# Altium PCB YarnControl_Mainboard_v1.3.PcbDoc (continued)
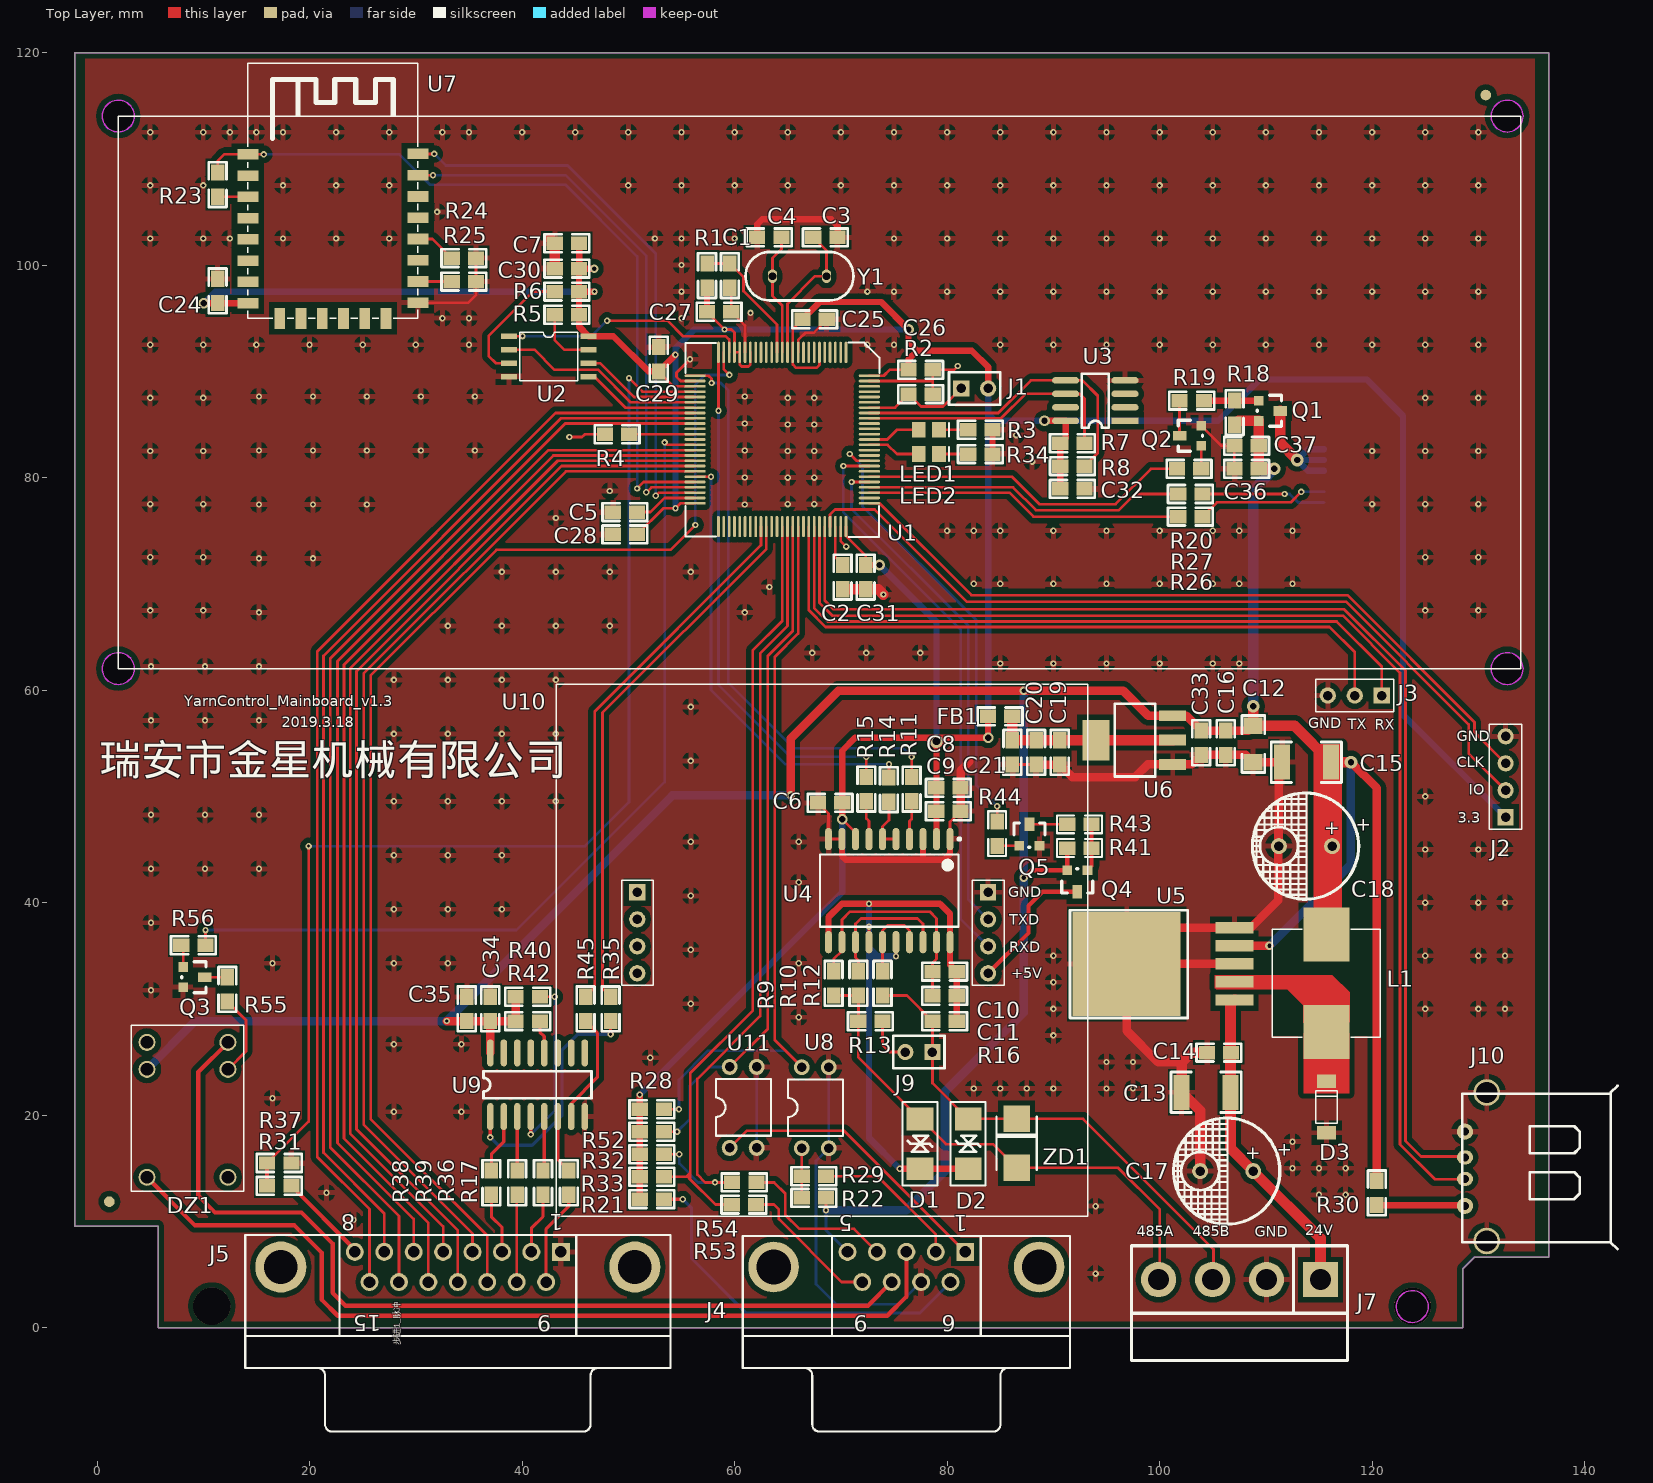
[diagram p0: Top Layer view]
## Via types
v1: diameter 0.6, hole 0.3, Top Layer to Bottom Layer, 340 vias
v2: diameter 1, hole 0.6, Top Layer to Bottom Layer, 6 vias
v3: diameter 0.8, hole 0.4, Top Layer to Bottom Layer, 5 vias
v4: diameter 1.2, hole 0.6, Top Layer to Bottom Layer, 4 vias
v5: diameter 1.27, hole 0.711, Top Layer to Bottom Layer, 1 vias

## Nets (pads, with @x,y where several pads share a name; then routed paths per layer and width w, separated by ;. In a path a pad name is that pad's centre, name@x,y a point inside that pad or via, vN(x,y) a via of type N, cw(c..) or ccw(c..) an arc to the next point about the centre after c; other vN are vias at no path point)
485_DE: R14.1 U1.45 | length 42.5
  Top Layer w0.254: U1.45 v1(57.784,80.085) ; R14.1 v1(74.53,53.016)
  Bottom Layer w0.254: v1(57.784,80.085) 57.784,60.022 64.789,53.016 v1(74.53,53.016)
485_RX: R11.1 U1.26 | length 55.5
  Top Layer w0.254: U1.26@55.461,89.585 U1.26 ; 57.29,89.585 U1.26 ; v1(57.836,88.9) 57.836,89.306 57.557,89.585 U1.26 ; R11.1@76.664,52.026 R11.1 v1(76.664,53.714)
  Bottom Layer w0.254: v1(57.836,88.9) 58.699,88.9 59.411,88.189 59.411,60.681 65.557,54.534 75.844,54.534 v1(76.664,53.714)
485_TX: R15.1 U1.25 | length 51.2
  Top Layer w0.254: v1(58.484,86.284) U1.25 U1.25@58.484,90.945 ; R15.1@71.984,52.07 R15.1@72.397,52.07 ; R15.1 R15.1@72.397,52.07 ; v1(72.397,53.721) R15.1@72.397,52.07
  Bottom Layer w0.254: v1(58.484,86.284) 58.484,60.49 65.253,53.721 v1(72.397,53.721)
+3.3V: C6.2 C7.2 C8.2 C9.2 C24.2 C25.2 C26.2 C27.2 C28.2 C29.2 C30.2 C31.2 C32.2 FB1.2 J1.2 J2.1 R1.2 R5.1 R6.2 R7.2 R8.2 R21.2 R28.1 R32.1 R33.1 R52.1 U1.6 U1.11 U1.19 U1.21 U1.22 U1.28 U1.50 U1.75 U1.100 U2.8 U3.8 U4.2 U4.8 U7.8 | length 396.8
  Top Layer w0.254: C28.2 53.289,77.114 v1(54.439,77.114) 54.909,77.585 U1.50 ; C29.2 54.265,88.585 U1.28 ; C27.2 57.404,95.587 v1(59.055,93.936) 59.683,93.936 59.984,93.635 U1.22 U1.21 60.484,90.621 60.655,90.449 61.29,90.449 61.484,90.643 U1.19 ; C25.2 65.484,93.983 U1.11 65.484,90.624 65.786,90.322 67.716,90.322 67.984,90.59 U1.6 ; v2(70.129,47.854) 71.381,46.602 U4.8 ; 70.129,51.841 70.136,51.835 C6.2 ; U1.75 70.484,74.516 72.333,72.667 C31.2 ; U1.100 74.04,89.585 74.593,90.138 C26.2
  Top Layer w0.6: v2(10.033,96.418) C24.2 ; C24.2@11.355,96.418 U7.8 ; C30.2@45.364,99.67 C7.2 ; v3(46.787,99.663) C30.2 R6.2 ; v1(46.819,97.504) R6.2 ; 47.149,93.313 U2.8 ; R21.2 R33.1 R32.1 R52.1 R28.1 v1(51.079,21.92) ; v1(54.432,91.567) C29.2 51.892,89.992 48.571,93.313 U2.8 ; C27.2 R1.2 ; C25.2 68.021,96.52 73.787,96.52 v2(76.371,93.936) 76.371,92.767 77.191,91.948 ; v2(70.129,47.854) C6.2@70.129,49.391 ; C6.2 C6.2@70.129,49.391 ; C31.2 v2(73.641,71.774) ; C26.2 76.371,91.129 77.191,91.948 ; v5@78.994,55.538 v5@79.001,55.531 ; U4.2 v5@79.001,54.686 ; FB1.2 83.845,55.556 v2(83.871,55.531) 79.756,55.531 ; J1.2 83.864,90.405 82.321,91.948 77.191,91.948 ; v2(89.161,85.337) U3.8 91.154,83.737 R7.2 R8.2 C32.2 ; R6.2 R5.1 45.358,94.218 U2.8 ; C6.2@70.129,49.391 70.129,51.841 70.129,54.305 71.355,55.531 78.156,55.531 ; 78.156,55.531 v5@79.001,55.531 ; 78.156,55.531 v5@79.001,54.686 ; v5@79.001,54.686 79.756,55.442 79.756,55.531 ; v5@79.001,54.686 v5(79.001,55.201) v5@79.001,55.531 ; v5@79.001,55.531 79.756,55.531
  Bottom Layer w0.6: v2(10.033,96.418) 11.119,97.504 v1(46.819,97.504) ; v1(51.079,21.92) 70.129,40.97 v2(70.129,47.854) ; v1(54.439,77.114) 54.439,92.183 56.191,93.936 v1(59.055,93.936) v2(76.371,93.936) ; v2(73.641,71.774) 79.001,66.414 v5@79.001,55.531 ; v2@83.864,55.531 83.864,84.67 ; J1.2 83.864,86.004 ; 83.947,85.337 84.531,85.337 ; J2.1 122.911,57.683 122.911,85.801 119.482,89.23 109.398,89.23 105.505,85.337 v2(89.161,85.337) 84.531,85.337 ; 83.864,84.67 84.531,85.337 ; 83.864,84.67 83.864,86.004 ; 83.864,86.004 84.531,85.337
+5V: C12.2 C15.2 C16.2 C18.1 C33.2 C34.2 C35.2 C36.2 C37.2 DZ1.2 J4.5 L1.1 Q1.S Q4.S R18.1 R22.1 R30.1 R40.2 R41.1 R42.1 U5.4 U6.3 U9.16 | length 326.6
  Top Layer w0.3: v1(68.605,11.049) R22.1 ; Q4.S Q4.S@91.313,43.066
  Top Layer w0.4: v3(87.224,42.342) 87.935,43.053 Q4.S 91.3,45.123 R41.1
  Top Layer w0.8: v1(32.918,28.854) C35.2 C34.2 ; U9.16 C34.2 ; R40.2 R42.1 C34.2 ; v3(65.278,50.089) 65.278,55.448 69.774,59.944 96.571,59.944 98.933,57.582 U6.3 102.514,57.582 C33.2 C16.2 108.356,56.185 C12.2 ; U5.4 v3(110.338,35.941) ; v4(118.008,53.213) 120.447,50.775 R30.1
  Top Layer w1: R18.1 107.429,85.331 Q1.S C37.2 C36.2 v4(110.795,80.823) ; v4(108.814,58.471) C12.2 112.688,56.642 C15.2 ; C18.1 116.23,53.1 C15.2 ; v4(118.008,53.213) C15.2
  Bottom Layer w0.3: v1(68.605,11.049) 68.605,9.151 J4.5
  Bottom Layer w0.8: DZ1.2 9.246,28.854 v1(32.918,28.854) 54.153,50.089 v3(65.278,50.089) ; v1(68.605,11.049) 76.149,11.049 79.781,14.681 79.781,22.2 87.224,29.642 v3(87.224,42.342) v3(87.224,59.944) ; v3(110.338,35.941) 118.008,43.612 v4(118.008,53.213)
  Bottom Layer w1: v4(108.814,58.471) 108.814,78.842 v4(110.795,80.823) 109.69,79.718
+24V: C13.2 C14.2 C17.1 J7.1 U5.1 | length 30
  Top Layer w1: U5.1 106.669,30.445 C13.2 106.669,16.877 C17.1 115.138,8.407 J7.1
ANALOG_OUT1: J5.8 R31.1 | length 8.7
  Top Layer w0.4: R31.1 24.258,7.365 J5.8
BOOT0: J1.1 R2.1 U1.94 | length 10.4
  Top Layer w0.254: U1.94 75.104,86.585 R2.1 77.54,86.684 79.622,86.684 J1.1
BOOT1: R4.1 U1.37 | length 6.2
  Top Layer w0.254: R4.1@50.089,84.085 U1.37
CLOSE_SW: R28.2 U1.66 U8.4 | length 70.3
  Top Layer w0.254: R28.2 v1(54.762,20.549) ; U1.66 65.984,65.324 63.779,63.119 63.779,27.051 U8.4
  Bottom Layer w0.254: v1(54.762,20.549) 54.762,23.317 57.506,26.06 64.77,26.06 U8.4
CLOSE_SW_IN: J4.2 R29.2 | length 14.2
  Top Layer w0.254: R29.2 73.457,14.249 78.938,8.768 J4.2
DAC_OUT1: R31.2 R37.2 U1.29 | length 112.1
  Top Layer w0.254: R37.2 19.914,19.406 v1(19.914,45.314) ; v1(50.063,89.357) 51.336,88.085 U1.29
  Top Layer w0.4: R31.2 R37.2
  Bottom Layer w0.254: v1(19.914,45.314) 45.923,45.314 50.063,49.454 v1(50.063,89.357)
ENCODER_B: R32.2 R54.2 U1.64 | length 74.5
  Top Layer w0.254: R32.2 v1(54.8,16.319) ; R54.2 v1(58.153,13.665) 57.226,13.665 56.49,14.402 56.49,23.393 62.408,29.312 62.408,63.449 64.984,66.025 U1.64
  Bottom Layer w0.254: v1(54.8,16.319) 54.8,15.43 56.566,13.665 v1(58.153,13.665)
ENCODER_C: R33.2 R53.2 U1.63 | length 73.4
  Top Layer w0.254: R33.2 55.499,14.205 ; 55.829,14.205 55.499,14.205 ; 55.829,14.535 55.499,14.205 ; R53.2 58.204,11.582 55.829,13.957 ; U1.63 64.484,66.52 61.697,63.733 61.697,29.82 55.829,23.952 55.829,13.957 ; 55.499,14.205 55.582,14.205 ; 55.499,14.205 55.582,14.205 ; 55.582,14.205 55.829,13.957
FLASH_SPI_MISO: U1.31 U2.2 | length 19.6
  Top Layer w0.254: U2.2 41.167,92.043 43.072,90.138 47.174,90.138 50.228,87.085 U1.31
FLASH_SPI_MOSI: U1.32 U2.5 | length 11.2
  Top Layer w0.254: U2.5 46.793,89.503 49.712,86.585 U1.32
FLASH_SPI_NSS: U1.23 U2.1 | length 23.3
  Top Layer w0.254: U2.1 v1(40.037,93.313) ; v1(48.006,94.767) 53.696,94.767 55.169,93.294 59.182,93.294 59.484,92.992 U1.23
  Bottom Layer w0.254: v1(40.037,93.313) 46.552,93.313 v1(48.006,94.767)
FLASH_SPI_SCK: U1.30 U2.6 | length 11.3
  Top Layer w0.254: U2.6 47.352,90.773 50.54,87.585 U1.30
GND: C1.1 C2.1 C3.2 C4.2 C5.2 C6.1 C7.1 C8.1 C9.1 C12.1 C13.1 C14.1 C15.1 C16.1 C17.2 C18.2 C19.1 C20.1 C21.1 C24.1 C25.1 C26.1 C27.1 C28.1 C29.1 C30.1 C31.1 C32.1 C33.1 C34.1 C35.1 C36.1 C37.1 D3.1 J2.4 J3.3 J4.7 J5.1 J7.2 J8.8 J8.9 J8.10 J8.11 J8.12 J10.4 J10.5 J10.6 Q2.3 Q3.3 Q5.3 R2.2 R3.2 R4.2 R24.2 R25.2 R34.2 R37.1 U1.10 U1.20 U1.27 U1.74 U1.99 U2.4 U3.4 U4.1 U4.3 U4.9 U4.10 U5.0 U5.3 U5.5 U6.1 U7.15 U8.2 U8.3 U9.8 U10.1 U11.2 U11.3 | length 231.3
  Top Layer w0.254: U7.15 34.939,96.458 35.662,97.18 R25.2 R24.2 ; v1(44.45,83.82) 45.644,83.82 45.898,84.074 R4.2 ; v1(55.804,91.135) 54.534,89.865 54.534,89.484 54.933,89.085 U1.27 ; C1.1@59.69,97.726 C27.1 60.984,94.312 U1.20 U1.20@60.984,92.749 ; U1.10 65.984,92.959 66.65,93.624 67.412,93.624 C25.1 ; C6.1 68.841,48.394 U4.10 U4.9 ; U1.74 69.984,74.016 v1(70.5,73.5) ; U1.99 78.657,89.085 ; R2.2 C26.1 80.638,90.138 v1(81,90.5) ; U4.1 80.271,47.606 C9.1 ; C21.1 C20.1 ; Q2.3 105.816,82.982 C37.1 C36.1
  Top Layer w0.6: C4.2 62.122,103.829 62.611,104.318 69.088,104.318 69.691,103.715 C3.2 ; U4.9 70.111,44.393 70.46,44.044 79.731,44.044 80.271,44.584 U4.1 ; 77.731,44.062 U4.3 ; R34.2 R3.2
  Top Layer w0.8: C9.1 C8.1 81.261,52.432 82.074,53.245 ; C20.1 C19.1 91.777,51.816 97.688,51.816 98.882,53.01 U6.1 103.022,53.01 C33.1 C16.1 108.128,53.899 C12.1 C15.1 111.23,52.926 C18.2 ; U5.0 96.902,27.939 99.861,24.98 102.069,24.98 ; U5.3 96.928,34.239 100.331,37.643 U5.5 108.585,37.643 111.187,40.245 111.187,47.193
  Top Layer w1: C7.1@42.659,102.464 43.072,102.051 C30.1 ; C2.1 C31.1 73.512,69.488 v1(74,69) ; C17.2 103.814,20.404 C13.1 102.069,24.98 102.972,25.883 C14.1
  Bottom Layer w0.254: U11.2 U11.3 ; U8.3 U8.2 67.666,15.697 67.666,4.089 69.545,2.21 75.474,2.21 J4.7
  other v1: 93.98,5.08 24.13,10.16 93.98,11.43 115,12.5 117.5,12.5 21.59,12.7 112.5,15 115,15 117.5,15 112.5,17.5 27.94,20.32 34.29,20.32 16.51,21.59 82.5,22.5 85,22.5 87.5,22.5 90,22.5 95,22.5 97.5,22.5 95,25 97.5,25 52.07,25.4 27.94,26.67 34.29,26.67 90,27.5 66.04,29.21 90,30 125,30 130,30 132.5,30 55.88,30.48 5.08,31.75 90,32.5 16.51,34.29 27.94,34.29 33.02,34.29 66.04,34.29 90,35 125,35 130,35 132.5,35 55.88,35.56 5.08,38.1 27.94,39.37 33.02,39.37 38.1,39.37 125,40 130,40 132.5,40 55.88,40.64 66.04,41.91 5.08,43.18 10.16,43.18 15.24,43.18 27.94,44.45 33.02,44.45 38.1,44.45 125,45 130,45 132.5,45 55.88,45.72 66.04,45.72 5.08,48.26 10.16,48.26 15.24,48.26 27.94,49.53 33.02,49.53 38.1,49.53 43.18,49.53 125,50 55.88,53.34 27.94,55.88 33.02,55.88 38.1,55.88 43.18,55.88 5.08,57.15 10.16,57.15 15.24,57.15 55.88,58.42 27.94,60.96 33.02,60.96 38.1,60.96 43.18,60.96 5.08,62.23 10.16,62.23 15.24,62.23 85,62.5 90,62.5 95,62.5 100,62.5 105,62.5 107.5,62.5 67.31,63.5 72.39,63.5 77.47,63.5 33.02,66.04 38.1,66.04 43.18,66.04 48.26,66.04 15.24,67.31 60.96,67.31 5,67.5 10,67.5 125,67.5 130,67.5 63.271,69.698 82.5,70 85,70 90,70 95,70 100,70 105,70 107.5,70 112.5,70 38.1,71.12 43.18,71.12 48.26,71.12 55.88,71.12 15.24,72.39 20.32,72.39 5,72.5 10,72.5 125,72.5 130,72.5 80,75 82.5,75 85,75 90,75 95,75 100,75 105,75 107.5,75 112.5,75 43.18,76.2 15.24,77.47 20.32,77.47 25.4,77.47 60.96,77.47 5,77.5 10,77.5 65,77.5 67.5,77.5 120,77.5 125,77.5 130,77.5 48.26,78.74 60.96,80.01 65,80 67.5,80 88,81.5 5,82.5 10,82.5 65,82.5 67.5,82.5 120,82.5 125,82.5 130,82.5 15.24,82.55 20.32,82.55 25.4,82.55 30.48,82.55 35.56,82.55 60.96,82.55 86.5,84 65,85 67.5,85 60.96,85.09 5,87.5 10,87.5 65,87.5 67.5,87.5 125,87.5 130,87.5 15.24,87.63 20.32,87.63 25.4,87.63 30.48,87.63 35.56,87.63 60.96,87.63 5,92.5 10,92.5 15,92.5 20,92.5 25,92.5 30,92.5 35,92.5 72.5,92.5 75,92.5 85,92.5 90,92.5 95,92.5 100,92.5 105,92.5 110,92.5 115,92.5 120,92.5 125,92.5 130,92.5 32.5,95 35,95 55,95 61.5,95.5 55,97.5 72.5,97.5 75,97.5 80,97.5 85,97.5 90,97.5 95,97.5 100,97.5 105,97.5 110,97.5 115,97.5 120,97.5 125,97.5 130,97.5 55,100 5,102.5 10,102.5 12.5,102.5 17.5,102.5 22.5,102.5 27.5,102.5 52.5,102.5 55,102.5 60,102.5 75,102.5 80,102.5 85,102.5 90,102.5 95,102.5 100,102.5 105,102.5 110,102.5 115,102.5 120,102.5 125,102.5 130,102.5 32,105 5,107.5 10,107.5 17.5,107.5 22.5,107.5 27.5,107.5 50,107.5 55,107.5 60,107.5 65,107.5 70,107.5 75,107.5 80,107.5 85,107.5 90,107.5 95,107.5 100,107.5 105,107.5 110,107.5 115,107.5 120,107.5 125,107.5 130,107.5 5,112.5 10,112.5 12.5,112.5 15,112.5 17.5,112.5 22.5,112.5 27.5,112.5 32.5,112.5 35,112.5 40,112.5 45,112.5 50,112.5 55,112.5 60,112.5 65,112.5 70,112.5 75,112.5 80,112.5 85,112.5 90,112.5 95,112.5 100,112.5 105,112.5 110,112.5 115,112.5 120,112.5 125,112.5 130,112.5
GND-485: C10.1 C11.1 D1.1 D2.1 R16.1 U4.11 U4.14 U4.16 U4.20 | length 65.2
  Top Layer w0.254: U4.14 v1(72.651,37.738) ; v1(75.191,34.944) U4.16
  Top Layer w0.6: U4.11 68.841,38.64 70.104,39.903 79.324,39.903 80.271,38.957 U4.20 80.271,34.144 C10.1 C11.1 R16.1 ; v1(75.546,14.954) D1.1 D2.1
  Bottom Layer w0.6: 72.651,34.138 73.457,34.944 ; 72.651,35.75 73.457,34.944 ; v1(72.651,39.897) v1(72.651,37.738) 72.651,17.85 v1(75.546,14.954) ; 72.708,34.944 73.457,34.944 ; v1(75.191,34.944) 73.457,34.944
IIC1_SCL: R7.1 U1.92 U3.6 | length 25.6
  Top Layer w0.254: U1.92 85.077,85.585 87.369,87.877 U3.6 92.475,87.877 92.932,87.42 R7.1
IIC1_SDA: R8.1 U1.93 U3.5 | length 30.5
  Top Layer w0.254: U1.93 84.815,86.085 87.877,89.147 U3.5 92.729,89.147 94.177,87.7 94.177,82.328 R8.1
LCD_5V: J8.1 J8.2 J8.3 Q1.D | length 13.6
  Top Layer w1: Q1.D 111.354,83.261 v4(112.963,81.652)
  Bottom Layer w0.6: J8.3 113.963,80.652 v4(112.963,81.652) ; J8.2 v4(112.963,81.652) ; J8.1 113.963,82.652 v4(112.963,81.652)
LCD_POWER: R20.1 U1.81 | length 31.4
  Top Layer w0.254: U1.81 86.082,80.085 88.671,77.495 95.86,77.495 99.187,80.823 R20.1
LCD_RXD: R27.2 U1.79 | length 30.6
  Top Layer w0.254: U1.79 86.218,79.085 88.367,76.937 96.164,76.937 97.682,78.454 R27.2
LCD_TXD: R26.2 U1.78 | length 30
  Top Layer w0.254: U1.78 85.855,78.585 88.119,76.32 R26.2
LED1: LED1.1 U1.88 | length 5
  Top Layer w0.254: U1.88 74.365,83.585 75.279,84.499 LED1.1
LED2: LED2.1 U1.87 | length 5
  Top Layer w0.254: U1.87 74.407,83.085 75.279,82.213 LED2.1
NetC2_2: C2.2 U1.73 | length 3.9
  Top Layer w0.254: U1.73 69.484,72.463 C2.2
NetC5_1: C5.1 U1.49 | length 6
  Top Layer w0.254: C5.1 52.095,76.759 53.421,78.085 U1.49
NetC19_2: C19.2 C20.2 C21.2 FB1.1 U6.0 U6.2 | length 17.4
  Top Layer w1: FB1.1 86.148,57.514 C21.2 C20.2 C19.2 90.621,55.296 U6.0 U6.2
NetD3_2: D3.2 L1.2 U5.2
NetDZ1_5: DZ1.5 R55.2 | length 7.8
  Top Layer w0.254: R55.2 14.021,28.931 14.021,26.01 DZ1.5
NetJ4_4: J4.4 R54.1 | length 15.2
  Top Layer w0.254: R54.1 63.729,13.665 64.77,12.624 64.77,10.617 66.091,9.296 71.23,9.296 J4.4
NetJ4_9: J4.9 R53.1 | length 13.5
  Top Layer w0.254: R53.1 63.703,11.582 64.166,11.119 64.166,10.205 70.082,4.289 J4.9
NetJ8_5: J8.5 R26.1 | length 12.4
  Top Layer w0.254: R26.1 105.398,77.673 112.343,77.673 v1(113.322,78.652)
  Bottom Layer w0.254: v1(113.322,78.652) J8.5
NetJ8_6: J8.6 R27.1 | length 11.8
  Top Layer w0.254: R27.1 v1(111.76,78.454)
  Bottom Layer w0.254: v1(111.76,78.454) 112.243,78.454 113.045,77.652 J8.6
NetJ9_2: J9.2 R13.1 | length 4.7
  Top Layer w0.254: R13.1 73.921,26.613 74.6,25.933 J9.2
NetJ10_1: J10.1 R30.2 | length 8.3
  Top Layer w0.6: R30.2 J10.1@128.737,11.532
NetLED1_2: LED1.2 R3.1 | length 2.8
  Top Layer w0.254: LED1.2 R3.1
NetLED2_2: LED2.2 R34.1 | length 2.8
  Top Layer w0.254: LED2.2 R34.1
NetQ1_G: Q1.G R18.2 R19.2 | length 10.3
  Top Layer w0.254: R19.2 R18.2 109.309,87.249 Q1.G
  Top Layer w0.6: R19.2@104.178,87.236 107.061,87.236 Q1.G
NetQ2_1: Q2.1 R19.1 | length 3.3
  Top Layer w0.254: Q2.1 R19.1
NetQ2_2: Q2.2 R20.2 | length 2.2
  Top Layer w0.254: R20.2 Q2.2
NetQ3_1: Q3.1 R55.1 | length 2.1
  Top Layer w0.254: Q3.1 R55.1
NetQ3_2: Q3.2 R56.1 | length 1.9
  Top Layer w0.254: Q3.2 R56.1@8.103,35.814
NetQ4_G: Q4.G R41.2 R43.2 | length 6.2
  Top Layer w0.254: Q4.G@93.599,43.447 R41.2
  Top Layer w0.4: Q4.G 93.599,43.447 R41.2 R43.2
NetQ5_1: Q5.1 R43.1 | length 3.6
  Top Layer w0.254: Q5.1 R43.1
NetQ5_2: Q5.2 R44.2 | length 2.1
  Top Layer w0.254: R44.2 Q5.2
NetR5_2: R5.2 U2.7 | length 5.9
  Top Layer w0.254: R5.2 43.072,92.932 43.961,92.043 U2.7
NetR6_1: R6.1 U2.3 | length 12
  Top Layer w0.254: U2.3 37.522,90.773 36.855,91.44 36.855,93.32 41.04,97.504 R6.1
NetR10_1: R10.1 U4.13 U4.18 | length 13.1
  Top Layer w0.254: R10.1 71.66,34.551 71.381,34.83 U4.13 71.381,38.005 71.889,38.513 77.223,38.513 77.731,38.005 U4.18
NetR11_2: R11.2 U4.4 | length 3.6
  Top Layer w0.254: U4.4 76.461,47.657 76.664,47.86 R11.2
NetR12_1: R12.1 U4.15 U4.17 | length 7.9
  Top Layer w0.254: R12.1 U4.15 73.921,37.37 74.429,37.878 75.953,37.878 76.461,37.37 U4.17
NetR14_2: R14.2 U4.5 U4.6 | length 5
  Top Layer w0.254: R14.2 74.53,47.759 73.921,47.149 U4.6 U4.5
NetR15_2: R15.2 U4.7 | length 3.7
  Top Layer w0.254: R15.2 72.397,47.911 72.651,47.657 U4.7
NetR17_1: R17.1 U9.6 | length 5.5
  Top Layer w0.3: U9.6 43.358,15.824 R17.1
NetR22_2: R22.2 R29.1 U8.1 | length 4.7
  Top Layer w0.254: R22.2 R29.1 U8.1
NetR23_2: R23.2 U7.3 | length 2.8
  Top Layer w0.254: R23.2@11.362,106.418 U7.3
NetR24_1: R24.1 U7.18 | length 3.9
  Top Layer w0.254: U7.18 31.578,102.458 R24.1
NetR25_1: R25.1 U7.16 | length 3.1
  Top Layer w0.254: U7.16 R25.1@33.343,98.458
NetR35_1: R35.1 U9.1 | length 22.8
  Top Layer w0.3: v1(37.008,17.907) U9.1 ; v1(48.336,27.61) R35.1
  Bottom Layer w0.3: v1(37.008,17.907) 37.744,17.17 40.945,17.17 43.764,19.99 43.764,26.137 45.237,27.61 v1(48.336,27.61)
NetR36_1: R36.1 U9.5 | length 5.1
  Top Layer w0.3: R36.1 42.088,14.901 U9.5
NetR38_1: R38.1 U9.2 | length 5.6
  Top Layer w0.3: R38.1 37.109,16.332 38.278,17.501 U9.2
NetR39_1: R39.1 U9.3 | length 5.1
  Top Layer w0.3: R39.1@39.548,14.791 U9.3
NetR40_1: R40.1 U9.4 | length 17
  Top Layer w0.254: R40.1 v1(43.078,31.14)
  Top Layer w0.3: v1(40.818,18.186) U9.4
  Bottom Layer w0.254: v1(40.818,18.186) 43.078,20.447 v1(43.078,31.14)
NetR42_2: R42.2 U9.12 | length 3.2
  Top Layer w0.3: R42.2 41.681,27.813 42.088,27.407 U9.12
NetR45_1: R45.1 U9.7 | length 10.5
  Top Layer w0.3: U9.7 44.628,21.082 47.092,23.546 47.092,27.737 R45.1
NRST: C1.2 R1.1 U1.14 | length 12.3
  Top Layer w0.254: R1.1 59.55,100.152 C1.2 60.833,98.869 60.833,97.548 63.984,94.397 U1.14
ONOFF: R52.2 U1.65 U11.4 | length 63.8
  Top Layer w0.254: R52.2 v1(54.591,18.434) ; U11.4 63.119,28.118 63.119,63.221 65.484,65.586 U1.65
  Bottom Layer w0.254: v1(54.591,18.434) 55.804,19.647 55.804,22.758 57.582,24.536 U11.4
OSC_IN: C3.1 U1.12 Y1.2 | length 13.5
  Top Layer w0.254: U1.12 64.984,96.353 67.583,98.952 Y1.2 68.65,101.365 C3.1
OSC_OUT: C4.1 U1.13 Y1.1 | length 11.6
  Top Layer w0.254: C4.1 64.408,101.492 63.57,100.654 Y1.1 63.57,97.098 64.484,96.183 U1.13
OUT_SERVO_PD+: J5.3 R38.2 | length 5.8
  Top Layer w0.3: R38.2 37.109,10.439 38.108,9.441 J5.3
OUT_SERVO_PD-: J5.10 R39.2 | length 8.2
  Top Layer w0.254: J5.10 39.493,12.451 R39.2
OUT_SERVO_PP+: J5.9 R17.2 | length 9.1
  Top Layer w0.3: J5.9 42.263,9.294 44.399,11.43 R17.2
OUT_SERVO_PP-: J5.2 R36.2 | length 5.8
  Top Layer w0.3: J5.2 40.878,9.357 41.969,10.448 R36.2
RELAY1: DZ1.6 J4.8 | length 88.8
  Top Layer w0.4: DZ1.6 9.525,24.054 9.525,12.421 11.1,10.846 19.253,10.846 22.174,7.925 22.174,3.277 23.393,2.057 72.552,2.057 J4.8
RELAY2: DZ1.3 J4.3 | length 84.4
  Top Layer w0.4: DZ1.3 9.22,9.627 18.567,9.627 21.158,7.036 21.158,2.616 22.657,1.118 74.371,1.118 76.168,2.914 J4.3
RELAY_CTR: R56.2 U1.39 | length 85.3
  Top Layer w0.254: R56.2 v1(10.211,37.414) ; v1(53.416,83.312) 53.643,83.085 U1.39
  Bottom Layer w0.254: v1(10.211,37.414) 39.472,37.414 53.416,51.359 v1(53.416,83.312)
RFID_5V: Q4.D U10.4 | length 13.1
  Top Layer w0.4: U10.4 87.655,37.146 87.655,39.7 88.976,41.021 Q4.D
RFID_POWER: R44.1 U1.84 | length 42.4
  Top Layer w0.254: v1(70.841,82.22) 71.476,81.585 U1.84 ; R44.1 v1(84.709,49.073)
  Bottom Layer w0.254: v1(70.841,82.22) 72.034,81.026 72.034,77.292 82.753,66.573 82.753,51.029 v1(84.709,49.073)
RFID_RXD: U1.83 U10.3 | length 53.3
  Top Layer w0.254: v1(70.239,81.085) U1.83
  Bottom Layer w0.254: v1(70.239,81.085) 70.239,76.725 81.28,65.684 81.28,38.47 U10.3
RFID_TXD: U1.80 U10.2 | length 48.1
  Top Layer w0.254: v1(71.012,79.585) U1.80
  Bottom Layer w0.254: v1(71.012,79.585) 71.012,77.045 81.991,66.065 81.991,40.299 U10.2
RS485_A: D1.2 J7.4 R9.1 R10.2 R13.2 ZD1.1 | length 49
  Top Layer w0.254: R9.1 R10.2 R13.2@71.66,28.836 ; R13.2 71.635,25.471 D1.2 ; D1.2@77.477,19.679 79.884,17.272 84.314,17.272 ZD1.1 96.102,15.048 100,11.151 J7.4@100,4.521
RS485_B: D2.2 J7.3 J9.1 R12.2 R16.2 ZD1.2 | length 48.4
  Top Layer w0.254: R12.2 76.207,31.249 R16.2 78.62,23.007 D2.2 92.792,19.654 105.08,7.366 J7.3@105.08,4.521 ; J7.3@105.08,5.309 J7.3@105.867,4.521
SERVO_PD: R35.2 U1.60 | length 50.9
  Top Layer w0.254: R35.2 47.574,31.902 47.574,57.887 62.984,73.296 U1.60
SERVO_PP: R45.2 U1.59 | length 51.1
  Top Layer w0.254: R45.2 46.838,32.004 46.838,57.988 62.484,73.635 U1.59
START_STOP1: J4.6 R21.1 | length 35.4
  Top Layer w0.3: R21.1 v1(55.118,12.09)
  Bottom Layer w0.3: v1(55.118,12.09) 55.956,11.252 55.956,6.502 61.087,1.372 77.406,1.372 J4.6
START_STOP2: J4.1 U11.1 | length 27.6
  Top Layer w0.254: U11.1 61.138,18.517 70.32,18.517 J4.1
STEP_MOTOR1_CP: J5.14 U1.35 | length 104.9
  Top Layer w0.254: J5.14 28.413,10.5 21.946,16.967 21.946,62.967 44.064,85.085 U1.35
STEP_MOTOR1_DIR: J5.7 U1.34 | length 102.7
  Top Layer w0.254: J5.7 27.028,10.75 21.311,16.467 21.311,63.221 43.675,85.585 U1.34
STEP_MOTOR1_EN: J5.15 U1.33 | length 106.2
  Top Layer w0.254: J5.15 25.643,11.161 20.726,16.078 20.726,63.652 43.159,86.085 U1.33
STEP_MOTOR2_CP: J5.5 U1.42 | length 99.1
  Top Layer w0.254: J5.5 32.568,9.52 23.825,18.263 23.825,62.052 43.358,81.585 U1.42
STEP_MOTOR2_DIR: J5.13 U1.41 | length 102.6
  Top Layer w0.254: J5.13 31.183,9.863 23.241,17.805 23.241,62.382 42.943,82.085 U1.41
STEP_MOTOR2_EN: J5.6 U1.40 | length 100.4
  Top Layer w0.254: J5.6 29.798,10.221 22.631,17.388 22.631,62.713 42.504,82.585 U1.40
STEP_MOTOR3_CP: J5.11 U1.24 | length 117.2
  Top Layer w0.254: J5.11 36.723,8.667 25.756,19.634 25.756,61.366 37.592,73.203 53.975,73.203 v1(56.312,75.54) ; U1.24 58.984,90.19 v1(59.512,89.662)
  Bottom Layer w0.254: v1(56.312,75.54) 56.312,88.748 57.226,89.662 v1(59.512,89.662)
STEP_MOTOR3_DIR: J5.4 U1.44 | length 97.7
  Top Layer w0.254: J5.4 35.338,8.858 25.095,19.101 25.095,61.544 44.136,80.585 U1.44
STEP_MOTOR3_EN: J5.12 U1.43 | length 101.3
  Top Layer w0.254: J5.12 33.953,9.125 24.409,18.669 24.409,61.769 43.726,81.085 U1.43
SWCLK: J2.3 U1.76 | length 70.6
  Top Layer w0.254: U1.76 73.647,77.585 82.296,68.936 117.678,68.936 129.642,56.972 129.642,56.032 J2.3
SWDIO: J2.2 U1.72 | length 77.4
  Top Layer w0.254: U1.72 68.984,76.528 69.444,76.987 73.177,76.987 81.839,68.326 117.526,68.326 129.083,56.769 129.083,54.051 J2.2
UART1_RX: J3.1 U1.69 | length 66.1
  Top Layer w0.254: U1.69 67.484,67.72 68.758,66.446 116.664,66.446 120.904,62.206 J3.1
UART1_TX: J3.2 U1.68 | length 65
  Top Layer w0.254: U1.68 66.984,67.513 68.551,65.946 115.994,65.946 118.364,63.576 J3.2
USB_DM: J10.2 U1.70 | length 116.4
  Top Layer w0.254: U1.70 67.984,68.211 69.19,67.005 117.246,67.005 122.631,61.62 122.631,17.233 125.894,13.97 J10.2@128.737,13.97
USB_DP: J10.3 U1.71 | length 115
  Top Layer w0.254: U1.71 68.484,68.418 69.295,67.607 117.352,67.607 123.131,61.828 123.131,17.585 124.61,16.106 J10.3@128.956,16.106
V485: C10.2 C11.2 R9.2 U4.12 U4.19 | length 22.1
  Top Layer w0.254: R9.2 69.323,34.678 70.111,35.465 U4.12 70.111,38.386 70.873,39.148 78.366,39.148 79.001,38.513 U4.19 79.001,34.703 78.62,34.322 C10.2 C11.2
WIFI_EN: R23.1 U1.46 U7.1 | length 72.4
  Top Layer w0.254: R23.1 11.354,109.804 11.967,110.418 U7.1 v1(15.693,110.418) ; v1(50.825,78.969) 51.442,79.585 U1.46
  Bottom Layer w0.254: v1(15.693,110.418) 28.47,110.418 31.33,107.557 44.081,107.557 50.825,100.813 v1(50.825,78.969)
WIFI_RXD: U1.48 U7.22 | length 52.9
  Top Layer w0.254: U7.22 v1(31.743,110.458) ; v1(52.578,78.283) 52.88,78.585 U1.48
  Bottom Layer w0.254: v1(31.743,110.458) 32.828,109.372 44.298,109.372 52.578,101.092 v1(52.578,78.283)
WIFI_TXD: U1.47 U7.21 | length 51.7
  Top Layer w0.254: U7.21 v1(31.623,108.458) ; v1(51.689,78.613) 52.161,79.085 U1.47
  Bottom Layer w0.254: v1(31.623,108.458) 44.069,108.458 51.689,100.838 v1(51.689,78.613)
pads on no net: DZ1.1 DZ1.4 J4.10 J4.11 J5.16 J5.17 J8.4 J8.7 U1.0 U1.1 U1.2 U1.3 U1.4 U1.5 U1.7 U1.8 U1.9 U1.15 U1.16 U1.17 U1.18 U1.36 U1.38 U1.51 U1.52 U1.53 U1.54 U1.55 U1.56 U1.57 U1.58 U1.61 U1.62 U1.67 U1.77 U1.82 U1.85 U1.86 U1.89 U1.90 U1.91 U1.95 U1.96 U1.97 U1.98 U3.1 U3.2 U3.3 U3.7 U7.2 U7.4 U7.5 U7.6 U7.7 U7.9 U7.10 U7.11 U7.12 U7.13 U7.14 U7.17 U7.19 U7.20 U9.9 U9.10 U9.11 U9.13 U9.14 U9.15 U10.5 U10.6 U10.7 U10.8

## Polygon pours and split planes (outlines as drawn)
GND on Top Layer "Top Layer-No Net" (solid, remove dead copper, pour order 1000): -1.118,120 -1.092,119.975 -1.092,0.356 135.026,0.356 135.306,0.635 135.306,119.913
GND on Bottom Layer "Top Layer-No Net" (solid, remove dead copper, pour order 1001): -1.397,119.685 -1.397,-0.229 -1.168,-0.457 135.814,-0.457 135.814,119.685

## Keep-outs
Keep-Out Layer:
  circle w0.127: c123.773,1.981 r1.5
  circle w0.127: c2,62.019 r1.5
  circle w0.127: c2,114.019 r1.5
  circle w0.127: c132.7,114.019 r1.5
  circle w0.127: c132.7,62.019 r1.5
  lines w0.127: -2.118,9.55 5.74,9.55 5.74,0 128.549,0 128.549,5.537 129.616,6.604 136.636,6.604 136.636,120 -2.118,120 -2.118,9.55

## Other copper
Top Layer:
  rectangle net NetD3_2: 113.538,22.047 117.856,27.711
  rectangle net +5V: 114.478,38.633 117.17,54.94
  region net NetD3_2: 105.207,33.172 105.207,31.953 105.308,31.852 111.989,31.852 113.513,30.328 113.513,28.677 117.78,28.677 117.881,28.778 117.881,31.547 116.256,33.172
  pour cut-out: 110.592,37.592 110.592,27.432 120.752,27.432 120.752,37.592

## Silkscreen, mask and mechanical layers (free items; w line width, h text height)
Top Overlay:
  lines w0.127: 2,62.019 2,114.019 134,114.019 134,62.019 2,62.019
  text "YarnControl_Mainboard_v1.3" at 8.204,58.496 h1
  text "2019.3.18" at 17.374,56.49 h1
  text "GND" at 113.995,56.413 h1
  text "TX" at 117.704,56.337 h1
  text "RX" at 120.244,56.286 h1
  text "GND" at 127.965,55.169 h1
  text "CLK" at 127.965,52.756 h1
  text "瑞安市金星机械有限公司" at 0.203,51.054 h5
  text "IO" at 129.108,50.165 h1
  text "3.3" at 128.067,47.523 h1
  text "GND" at 85.75,40.513 h1
  text "TXD" at 85.852,37.922 h1
  text "RXD" at 85.843,35.333 h1
  text "+5V" at 86.03,32.893 h1
  text "24V" at 113.69,8.687 h1
  text "485A" at 97.841,8.585 h1
  text "485B" at 103.124,8.585 h1
  text "GND" at 108.966,8.56 h1
  text "步进1_脉冲" at 28.727,-1.676 h1 r90

## Dimensions
-2.118,120 to 0,0 on Top Overlay
0,0 to 134.7,0 on Top Overlay

## Text inside footprints (layer, text, board x,y; h text height)
C17: Top Overlay "+" at 109.525,16.942 h1.27 r180; Top Overlay "+" at 112.497,17.272 h1.27 r180; Bottom Overlay "+" at 108.603,13.43 h1.02 r180
C18: Top Overlay "+" at 116.942,47.523 h1.27 r180; Top Overlay "+" at 119.913,47.854 h1.27 r180; Bottom Overlay "+" at 116.019,44.012 h1.02 r180
J4: Top Overlay "1" at 81.958,10.584 h1.5 r180; Top Overlay "5" at 71.128,10.584 h1.5 r180; Top Overlay "9" at 72.513,1.184 h1.5 r180; Top Overlay "6" at 80.823,1.184 h1.5 r180
J5: Top Overlay "1" at 43.898,10.684 h1.5 r180; Top Overlay "8" at 24.301,10.684 h1.5 r180; Top Overlay "15" at 26.768,1.184 h1.5 r180; Top Overlay "9" at 42.763,1.184 h1.5 r180